# Altium PCB CNEPuckRevF Export in PCB ASCII Format.PcbDoc (part 3 of 3)
Units mil, origin at the board's own origin, x right, y up, seen from the top; angles counter-clockwise.
Board outline 3831.74 x 3902.47 mil, 4 copper layers (Top Layer, Internal Plane 1, Internal Plane 2, Bottom Layer); 165 components, 118 nets, 543 pads, 169 vias.
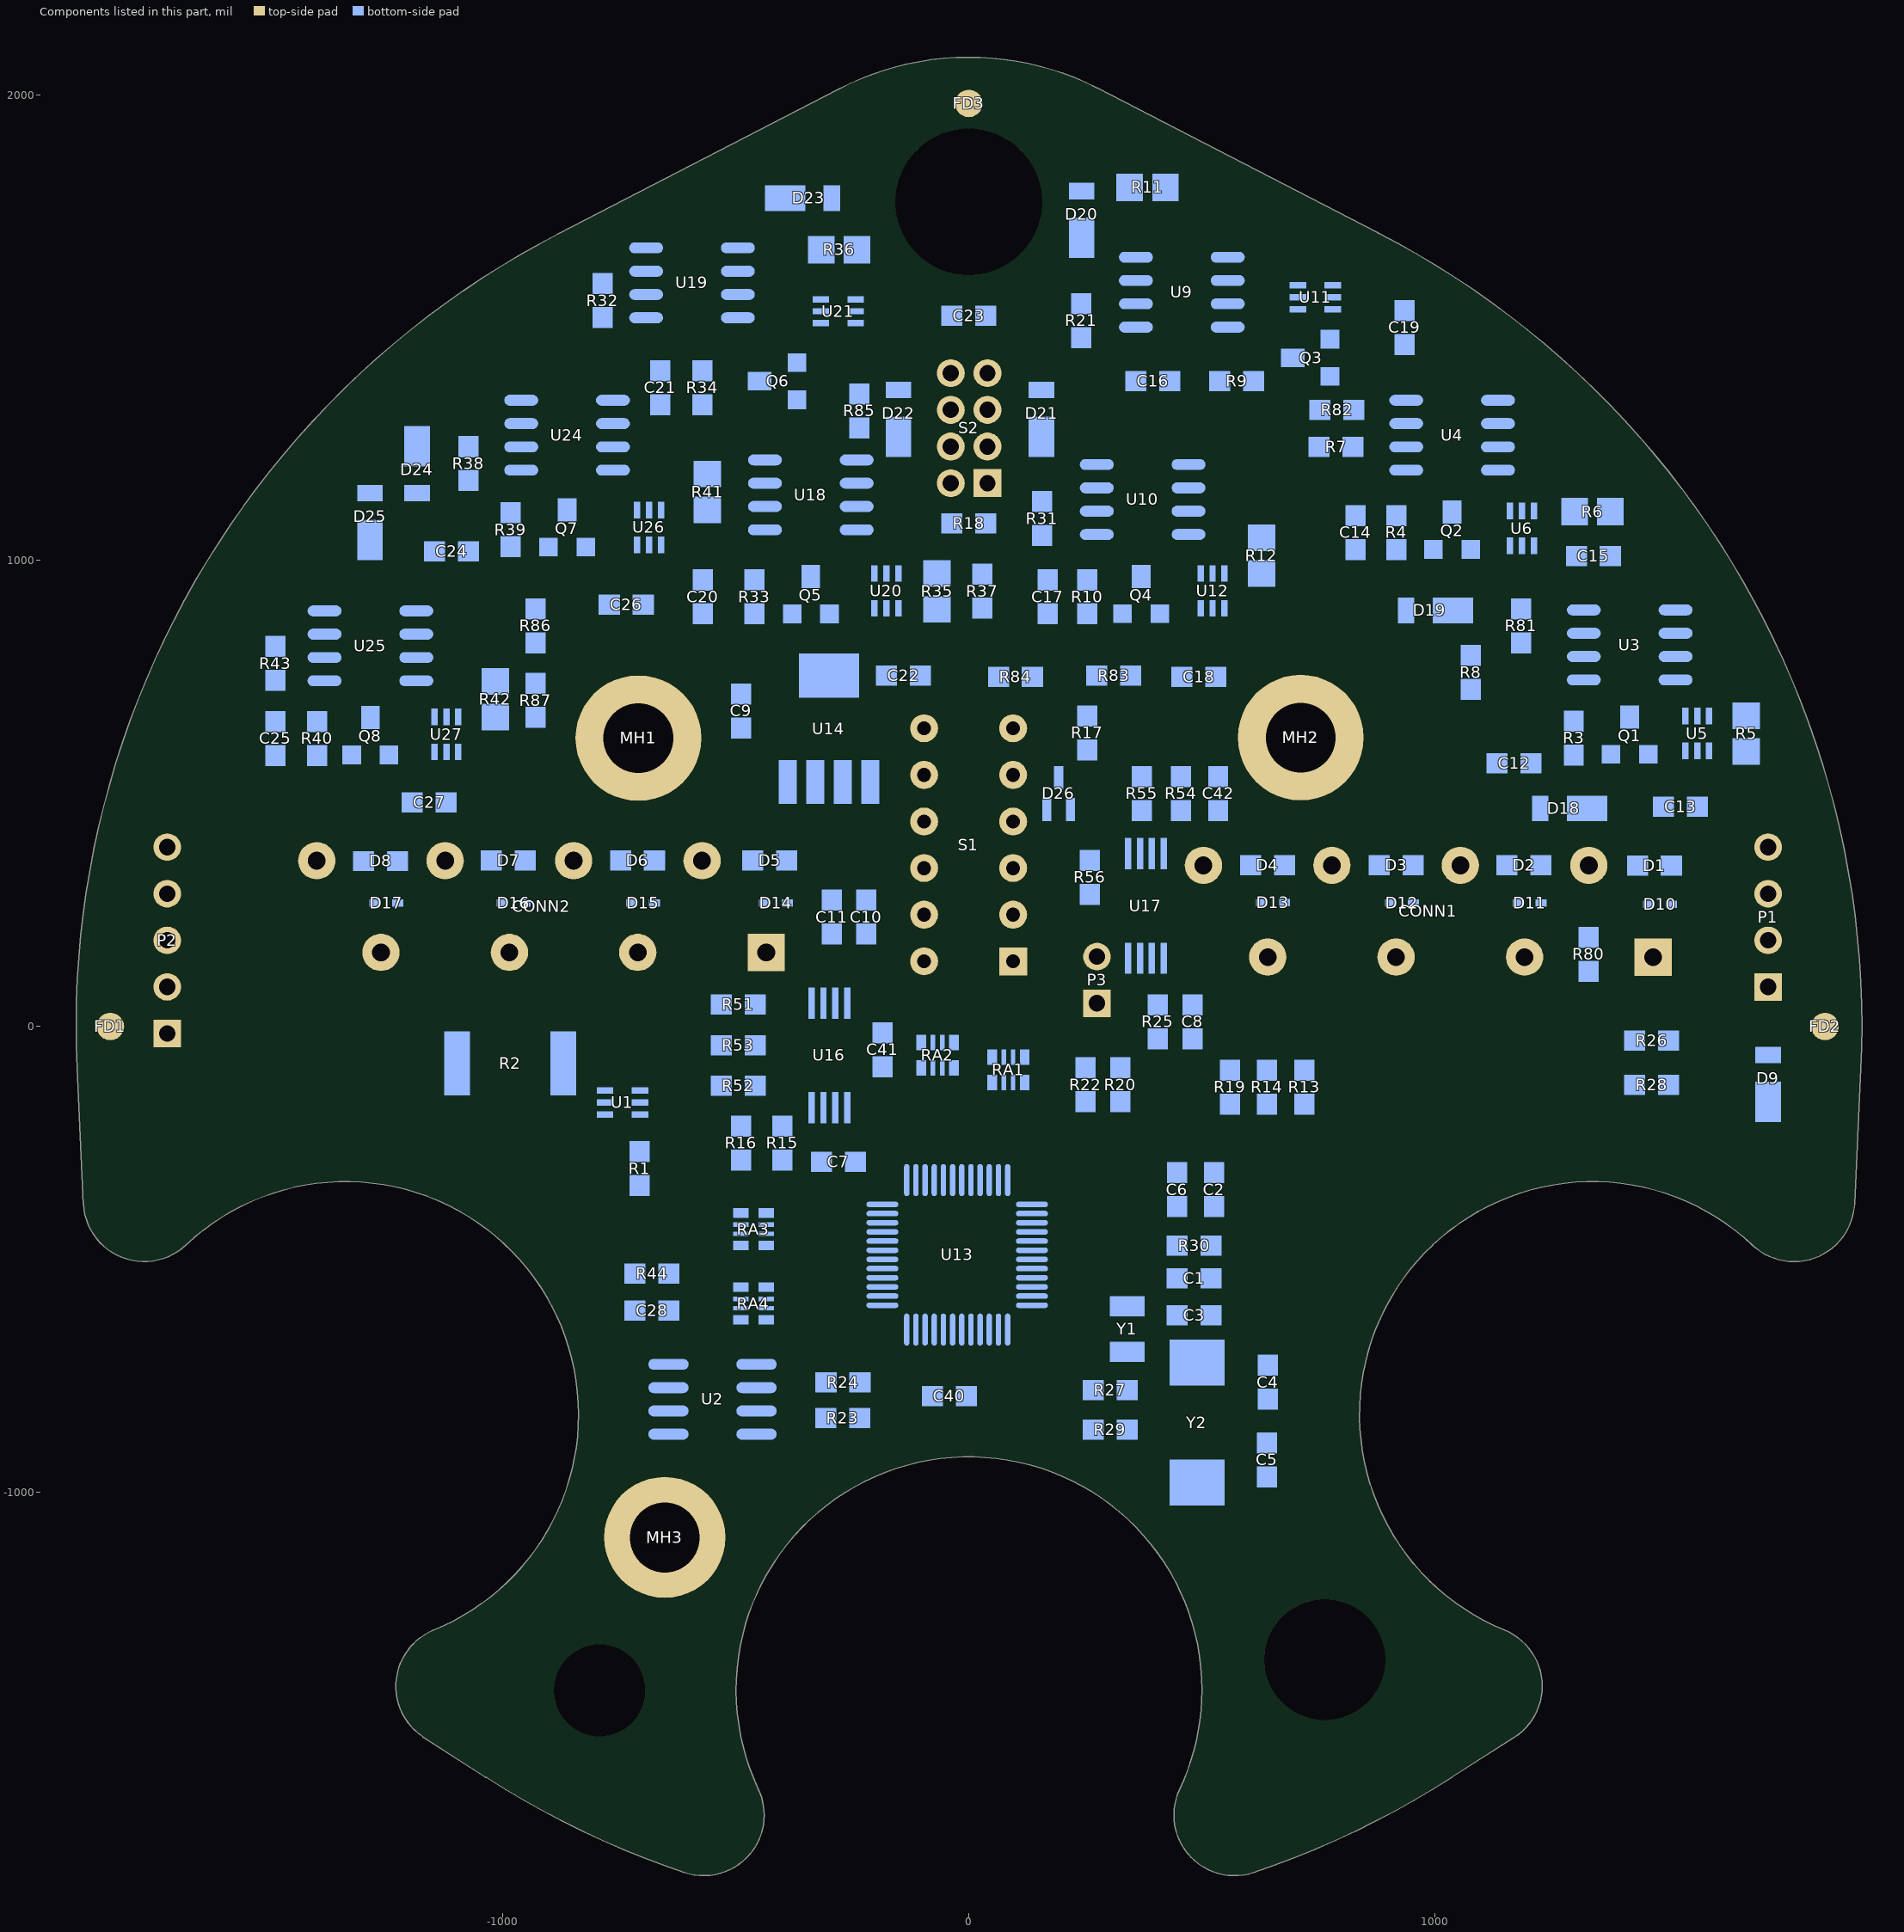
[diagram p5: the components of this part, seen from the top]

## Keep-outs
Bottom Layer:
  lines w4: -1311,1100.05 -1311,1115.05 ; -1260,1100.05 -1260,1115.05 ; -1209,1175 -1209,1190 ; -1158,1175 -1158,1190 ; -339,1752 -324,1752 ; -339,1803 -324,1803 ; -177,1321 -177,1336 ; -126,1321 -126,1336 ; 130,1321 130,1336 ; 181,1321 181,1336 ; 217,1748 217,1763 ; 268,1748 268,1763 ; 968,867 983,867 ; 968,918 983,918 ; 1256,442 1271,442 ; 1256,493 1271,493
  lines w5: -1055,-145 -910,-145 ; -1055,-15 -910,-15
Keep-Out Layer:
  circle w9.84: c-792.17,-1424.85 r140
  circle w9.84: c763.54,-1358.65 r140
  circle w9.84: c0.07,1767.38 r157.48
  lines w9.84: -1869.18,144.93 cw(c18.02,-14.58) -850.64,1668.39 ; -1867.15,-159.76 ccw(c-1956.86,-6.99) -1865.22,144.64 ; -1856.67,-379 ccw(c-1771.4,-374.98) -1712.81,-437.06 cw(c-1339.03,-833.08) -815.29,-982.2 ; -859.55,1662.61 -259.05,1972.55 cw(c-1.35,1473.28) 256.34,1972.55 845.64,1668.39 cw(c-23.02,-14.58) 1864.18,144.93 ; -855.73,-1119.32 ccw(c-772.98,-1140.27) -811.28,-1216.56 ; -811.71,-1216.53 -638.67,-1292.38 ccw(c-604.18,-1214.29) -530.46,-1257.32 ; -477.67,-1159.85 cw(c-1.34,-1423.76) 491.09,-1656.27 ccw(c568.28,-1692.72) 595.51,-1773.63 ccw(c-1.34,-0.25) 1009.51,-1574.83 1144.51,-1488.16 ccw(c1098.39,-1416.32) 1130.64,-1337.28 cw(c1336.36,-833.08) 1710.14,-437.06 ccw(c1768.73,-374.98) 1854,-379 ; 1863.87,145.45 ccw(c1954.15,-6.99) 1864.96,-160.07
  lines w10: -1867.15,-159.76 -1856.67,-379 ; -855.73,-1119.32 -815.29,-982.2 ; -530.04,-1257.54 -477.67,-1159.85 ; 1854,-379 1864.96,-160.07
  lines w100: -1358,1230.53 cw(c-1188.82,1239.08) -1179.52,1408.22 ; -1020.67,-1521.65 ccw(c-821.36,-1469) -768.7,-1668.31 ; 721.19,-1682.78 ccw(c782.31,-1498.81) 959.46,-1577.54 ; 1240.05,1361.7 cw(c1235,1185) 1410,1210
  text "Keepout Layer" at 3135,-1860 h150

## Other copper
Top Layer:
  text "Top Copper Layer" at 3105,-535 h150
Bottom Layer:
  text "Bottom Copper Layer" at 4154,-995 h150
Internal Plane 1 (plane layer: these items are gaps in the copper):
  lines w40: -1913.32,-88.93 ccw(c-1911.12,-90.15) -1913.63,-90.27 -1899.93,-380.89 ccw(c-1897.42,-380.77) -1899.48,-382.21 ; -1913.32,-88.93 cw(c0.48,0.2) -881.36,1701.07 cw(c-879.38,1699.51) -880.54,1701.74 -280.04,2011.69 cw(c-278.89,2009.45) -278.56,2011.95 cw(c-276.59,2010.39) -277.74,2012.62 cw(c0.48,1473.57) 274.98,2014.53 ; -1913.32,-88.93 -1913.32,-88.93 ; -1899.48,-382.21 ccw(c-1769.59,-374.52) -1680.31,-469.19 ccw(c-1769.59,-374.52) -1680.27,-469.15 ; -1899.48,-382.21 -1899.48,-382.21 ; -1680.27,-469.15 cw(c-1337.22,-832.62) -1624.13,-423.38 cw(c-1337.22,-832.62) -837.42,-832.62 cw(c-1337.22,-832.62) -1148.41,-1295.39 ; -1680.27,-469.15 -1680.27,-469.15 ; -1171.09,-1524.36 ccw(c-1168.61,-1523.92) -1169.97,-1526.03 -1037.24,-1611.24 ccw(c-1035.89,-1609.13) -1035.13,-1611.52 ccw(c-1033.19,-1609.91) -1034.55,-1612.03 ccw(c0.48,0.2) -610.64,-1815.59 ccw(c-609.84,-1813.21) -610.58,-1815.61 ; -1171.09,-1524.36 cw(c-1099.25,-1415.87) -1148.45,-1295.41 ; -1171.09,-1524.36 -1171.09,-1524.36 ; -1148.45,-1295.41 cw(c-1099.25,-1415.87) -1148.4,-1295.39 ; -1148.45,-1295.41 cw(c-1147.45,-1297.72) -1148.41,-1295.39 ; -1148.45,-1295.41 -1148.4,-1295.39 ; -1148.41,-1295.39 -1148.41,-1295.39 ; -610.58,-1815.61 ccw(c-569.13,-1692.27) -439.01,-1692.27 ccw(c-569.13,-1692.27) -451.45,-1636.75 ccw(c-453.74,-1637.78) -451.47,-1636.71 cw(c0.48,-1423.3) 500.28,-1423.3 cw(c0.48,-1423.3) 452.43,-1636.71 ; -610.58,-1815.61 -610.58,-1815.61 ; 274.98,2014.53 cw(c274.85,2012.02) 276,2014.25 876.5,1704.31 cw(c875.35,1702.07) 877.71,1702.94 ; 274.98,2014.53 274.98,2014.53 ; 452.41,-1636.76 ccw(c570.1,-1692.27) 611.54,-1815.61 ccw(c570.1,-1692.27) 611.6,-1815.59 ; 452.41,-1636.76 cw(c570.1,-1692.27) 452.43,-1636.71 ; 452.41,-1636.76 cw(c454.7,-1637.78) 452.43,-1636.71 ; 452.41,-1636.76 452.43,-1636.71 ; 611.6,-1815.59 ccw(c0.48,0.2) 1035.51,-1612.03 ccw(c1034.16,-1609.91) 1036.34,-1611.15 1169.37,-1525.76 ccw(c1169.15,-1523.25) 1170.5,-1525.37 ccw(c1100.21,-1415.87) 1230.33,-1415.87 ccw(c1100.21,-1415.87) 1149.41,-1295.41 ccw(c1100.21,-1415.87) 1149.36,-1295.39 ; 611.6,-1815.59 611.6,-1815.59 ; 877.71,1702.94 cw(c878.04,1700.45) 879.2,1702.68 ; 877.71,1702.94 877.71,1702.94 ; 879.2,1702.68 cw(c0.48,0.2) 1916.36,0.2 cw(c0.48,0.2) 1914.23,-90.05 cw(c1911.72,-89.93) 1914.15,-90.57 1900.5,-380.13 cw(c1898.01,-380.53) 1900.53,-380.53 cw(c1898.01,-380.53) 1900.53,-380.65 ; 879.2,1702.68 879.2,1702.68 ; 1149.37,-1295.39 cw(c1338.18,-832.62) 1681.23,-469.15 ; 1149.36,-1295.39 1149.37,-1295.39 ; 1681.23,-469.15 ccw(c1770.55,-374.52) 1681.27,-469.19 ; 1681.23,-469.15 ccw(c1682.96,-467.33) 1681.27,-469.19 ; 1681.23,-469.15 1681.27,-469.19 ; 1681.27,-469.19 ccw(c1770.55,-374.52) 1900.53,-380.65 ; 1900.53,-380.65 1900.53,-380.65
  lines w100: -1358,1230.53 cw(c-1179.91,1230.13) -1179.52,1408.22 ; -1021.65,-1518.7 ccw(c-822.34,-1466.04) -769.69,-1665.35 ; 721.2,-1682.78 ccw(c787.7,-1511.03) 959.46,-1577.54 ; 1240.05,1361.7 cw(c1249.17,1200.88) 1410,1210
  text "Internal Plane 1 (GND)" at 3115,-685 h150
Internal Plane 2 (plane layer: these items are gaps in the copper):
  lines w7: -547,239.93 -546.23,239.16 ; 840,1105.59 840.29,1105.29 ; 1287.41,1028 1294.29,1021.12
  lines w15: -1528.54,1143.7 -1480.31,1095.47 -1415.83,1095.47 -1303.15,1095.47 -996.71,1401.91 -693.9,1704.72 -557.09,1704.72 -510.83,1750.98 -410.98,1750.98 -243.5,1750.98 -225.92,1733.4 -77.52,1585 -65,1585 77.13,1585 219.71,1727.59 242.13,1750 594.49,1750 710.63,1633.86 859.99,1633.86 969.03,1524.82 1002.08,1524.82 1100,1426.9 1100,1360.72 1185.72,1275 1217.05,1275 1324,1168.05 1440.87,1051.18 1462.24,1051.18 1607.08,906.34 1607.08,801.54 1668,740.62 1763.87,740.62 ; -546.23,239.16 -546.23,-32.66 -663.17,-149.61 -856.26,-149.61 -895.24,-188.59 -1443.76,-188.59 -1672.35,40 -1754.59,40 -1769.59,25 -1769.59,-51.99 -1561.58,-260 -730,-260 -675,-315 -675,-434.9 -746.38,-506.28 -746.38,-683.72 -675,-755.1 -511.8,-918.3 -355.89,-918.3 -287.59,-850 327.61,-850 ; -543.7,241.3 -495,290 -495,420 -430,485 -403.63,511.37 ; -402.16,507.8 -402.16,925 ; -202.52,822.52 -202.52,510.05 -178.57,486.09 -178.57,108.57 -20,-50 115,-50 290,-50 330,-10 330,230 366.58,266.58 453.42,266.58 762.87,-42.87 762.87,-117.13 670,-210 670,-567.02 670,-800 620,-850 320,-850 ; 840,1105.59 840,1234.67 840,1393.08 840,1472.28 840,1499.18 862.52,1521.7 886.76,1521.7 905.51,1502.95 905.51,1114.49 916.82,1103.18 960,1060 1213.2,1060 1255.41,1060 1290.85,1024.56 ; 840.29,1105.29 790,1055 614.58,1055 450,890.42 346.98,787.4 188.18,787.4 165.19,810.4 165.19,1412.57 73.82,1503.94 -206.06,1503.94 -275,1435 -275,1280.32 -275,1114.76 -386.81,1002.95 -597.72,1002.95 -704.59,1002.95 -718.81,988.73 -718.81,911.73 -700.79,893.7 -662.4,893.7 -631.1,925 -295,925 -200.79,1019.21 -200.79,1314.96 -66.93,1448.82 59.78,1448.82 110.84,1397.76 110.84,1110.84 -55.12,944.88 -134.64,944.88 -202.52,877 -202.52,795 -117.52,795 -86.61,825.91 -86.61,850.86 -71.33,866.14 34.86,866.14 52.78,848.22 52.78,777.22 150,680 240.58,680 456.42,680 557,780.58 776.42,1000 1039.37,1000 1255,784.37 1255,727.28 1482.28,500 1583.33,500 1611.22,527.89 1611.22,576.38 1587.6,600 1553.54,600 1294.29,859.25 1294.29,1021.12 ; 1845.69,448.82 1863.87,467
  lines w40: -1913.32,-88.93 ccw(c-1911.12,-90.15) -1913.63,-90.27 -1899.93,-380.89 ccw(c-1897.42,-380.77) -1899.48,-382.21 ; -1913.32,-88.93 cw(c0.48,0.2) -881.36,1701.07 cw(c-879.38,1699.51) -880.54,1701.74 -280.04,2011.69 cw(c-278.89,2009.45) -278.56,2011.95 cw(c-276.59,2010.39) -277.74,2012.62 cw(c0.48,1473.57) 274.98,2014.53 ; -1913.32,-88.93 -1913.32,-88.93 ; -1899.48,-382.21 ccw(c-1769.59,-374.52) -1680.31,-469.19 ccw(c-1769.59,-374.52) -1680.27,-469.15 ; -1899.48,-382.21 -1899.48,-382.21 ; -1680.27,-469.15 cw(c-1337.22,-832.62) -1624.13,-423.38 cw(c-1337.22,-832.62) -837.42,-832.62 cw(c-1337.22,-832.62) -1148.41,-1295.39 ; -1680.27,-469.15 -1680.27,-469.15 ; -1171.09,-1524.36 ccw(c-1168.61,-1523.92) -1169.97,-1526.03 -1037.24,-1611.24 ccw(c-1035.89,-1609.13) -1035.13,-1611.52 ccw(c-1033.19,-1609.91) -1034.55,-1612.03 ccw(c0.48,0.2) -610.64,-1815.59 ccw(c-609.84,-1813.21) -610.58,-1815.61 ; -1171.09,-1524.36 cw(c-1099.25,-1415.87) -1148.45,-1295.41 ; -1171.09,-1524.36 -1171.09,-1524.36 ; -1148.45,-1295.41 cw(c-1099.25,-1415.87) -1148.4,-1295.39 ; -1148.45,-1295.41 cw(c-1147.45,-1297.72) -1148.41,-1295.39 ; -1148.45,-1295.41 -1148.4,-1295.39 ; -1148.41,-1295.39 -1148.41,-1295.39 ; -610.58,-1815.61 ccw(c-569.13,-1692.27) -439.01,-1692.27 ccw(c-569.13,-1692.27) -451.45,-1636.75 ccw(c-453.74,-1637.78) -451.47,-1636.71 cw(c0.48,-1423.3) 500.28,-1423.3 cw(c0.48,-1423.3) 452.43,-1636.71 ; -610.58,-1815.61 -610.58,-1815.61 ; 274.98,2014.53 cw(c274.85,2012.02) 276,2014.25 876.5,1704.31 cw(c875.35,1702.07) 877.71,1702.94 ; 274.98,2014.53 274.98,2014.53 ; 452.41,-1636.76 ccw(c570.1,-1692.27) 611.54,-1815.61 ccw(c570.1,-1692.27) 611.6,-1815.59 ; 452.41,-1636.76 cw(c570.1,-1692.27) 452.43,-1636.71 ; 452.41,-1636.76 cw(c454.7,-1637.78) 452.43,-1636.71 ; 452.41,-1636.76 452.43,-1636.71 ; 611.6,-1815.59 ccw(c0.48,0.2) 1035.51,-1612.03 ccw(c1034.16,-1609.91) 1036.34,-1611.15 1169.37,-1525.76 ccw(c1169.15,-1523.25) 1170.5,-1525.37 ccw(c1100.21,-1415.87) 1230.33,-1415.87 ccw(c1100.21,-1415.87) 1149.41,-1295.41 ccw(c1100.21,-1415.87) 1149.36,-1295.39 ; 611.6,-1815.59 611.6,-1815.59 ; 877.71,1702.94 cw(c878.04,1700.45) 879.2,1702.68 ; 877.71,1702.94 877.71,1702.94 ; 879.2,1702.68 cw(c0.48,0.2) 1916.36,0.2 cw(c0.48,0.2) 1914.23,-90.05 cw(c1911.72,-89.93) 1914.15,-90.57 1900.5,-380.13 cw(c1898.01,-380.53) 1900.53,-380.53 cw(c1898.01,-380.53) 1900.53,-380.65 ; 879.2,1702.68 879.2,1702.68 ; 1149.37,-1295.39 cw(c1338.18,-832.62) 1681.23,-469.15 ; 1149.36,-1295.39 1149.37,-1295.39 ; 1681.23,-469.15 ccw(c1770.55,-374.52) 1681.27,-469.19 ; 1681.23,-469.15 ccw(c1682.96,-467.33) 1681.27,-469.19 ; 1681.23,-469.15 1681.27,-469.19 ; 1681.27,-469.19 ccw(c1770.55,-374.52) 1900.53,-380.65 ; 1900.53,-380.65 1900.53,-380.65
  lines w100: -1358,1230.53 cw(c-1179.91,1230.13) -1179.52,1408.22 ; -1020.37,-1521.65 ccw(c-825.49,-1468.5) -772.34,-1663.39 ; 721.2,-1682.78 ccw(c787.7,-1511.03) 959.46,-1577.54 ; 1240.05,1361.7 cw(c1243.41,1195.88) 1408.68,1209.89
  text "Internal Plane 2 (PWRs)" at 3115,-835 h150

## Silkscreen, mask and mechanical layers (free items; w line width, h text height)
Top Overlay:
  lines w10: -1478,-291 -1478,-61 ; 425,-295 425,-64
  text "OPIsystems" at -1100,1114 h180
  text "CNE1-PCB" at -901.75,1029 h122
  text "REV F" at -1093.53,795 h122
  text "RST" at -1650,370 h30
  text "GND" at 1565,370 h30
  text "SWD" at -1650,270 h30
  text "TxD" at 1565,270 h30
  text "GND" at -1651,170 h30
  text "RxD" at 1565,165 h30
  text "TxD" at -1650,70 h30
  text "GND" at 1565,70 h30
  text "3V3" at -1645,-45 h30
  text "RESET_CNE" at 255,-50 h50 r270
  text "CH8-W" at -1331,-60 h100 r270
  text "CH6-W" at -779,-61 h100 r270
  text "CH5-W" at -504,-61 h100 r270
  text "CH7-W" at -1054,-62 h100 r270
  text "CH4-W" at 572,-64 h100 r270
  text "CH3-W" at 848,-65 h100 r270
  text "CH2-W" at 1123,-65 h100 r270
  text "CH1-W" at 1399,-66 h100 r270
  text "CH8-B" at -1435,-80 h100 r270
  text "CH7-B" at -1147.54,-80 h100 r270
  text "CH6-B" at -872.54,-80 h100 r270
  text "CH5-B" at -597.54,-80 h100 r270
  text "CH4-B" at 475,-80 h100 r270
  text "CH3-B" at 752.46,-80 h100 r270
  text "CH2-B" at 1027.46,-80 h100 r270
  text "CH1-B" at 1302.46,-80 h100 r270
  text "DEBUG" at 1592.52,-182.09 h50
  text "JTAG" at -1810,-215 h50
  text "Top Silkscreen Layer" at 3105,-395 h150
Bottom Overlay:
  lines w7: -830,-500 -830,-540 -770,-600 ; -343.47,-940 -330,-940 -280,-890 ; 90,1090 100,1100 100,1166 109,1175 212.98,1175 220,1182.02 220,1191.99 220,1245
  lines w9.84: -1868.95,146.83 cw(c-1956.86,-6.99) -1867.82,-160.16 ; -1868.54,146.8 cw(c17.09,-12.58) -850.85,1669 ; -1867,-160.12 -1856.69,-378.84 ccw(c-1771.42,-374.82) -1712.83,-436.9 cw(c-1339.05,-832.92) -815.35,-982.18 ; -878.85,1652.65 -259.05,1972.55 cw(c-1.35,1473.28) 256.34,1972.55 846.41,1667.99 cw(c-21.53,-13.58) 1864.1,145.79 ; -855.73,-1119.32 ccw(c-772.98,-1140.27) -811.28,-1216.56 ; -811.71,-1216.53 -638.67,-1292.38 ccw(c-604.18,-1214.29) -530.46,-1257.32 ; -478.31,-1160.81 cw(c-1.35,-1423.6) 491.07,-1656.11 ccw(c568.26,-1692.56) 595.49,-1773.47 ccw(c-1.35,-0.09) 1009.49,-1574.66 1144.49,-1488 ccw(c1098.37,-1416.16) 1130.62,-1337.12 cw(c1336.34,-832.92) 1710.12,-436.9 ccw(c1768.71,-374.82) 1853.98,-378.84 1864.3,-159.97 ; 1864.43,-159.76 cw(c1954.15,-6.99) 1864.51,145.83
  lines w10: -855.73,-1119.32 -815.29,-982.2 ; -530.04,-1257.54 -477.67,-1159.85 ; 226,220 226,111.75 237,100.75 315,100.75 335,80.75 335,80
  text "Bottom Silkscreen Layer" at 4304,-1145 h150
Top Paste:
  text "Top Paste Layer" at 3110,-1560 h150
Bottom Paste:
  text "Bottom Paste Layer" at 4085,-1710 h150
Mechanical 1:
  circle w5: c764.26,-1358.46 r129.92
  lines w5: -1911.12,-90.15 -1897.42,-380.77 ; -1910.76,-89.93 cw(c0.48,0.2) -877.08,1700.45 ; -1625.58,-421.33 ccw(c-1337.22,-832.62) -1682,-467.33 ; -1168.61,-1523.92 -1035.89,-1609.13 ; -1168.18,-1523.25 cw(c-1099.25,-1415.87) -1147.45,-1297.71 ccw(c-1337.22,-832.62) -1682,-467.33 ; -1033.19,-1609.91 ccw(c0.48,0.2) -609.84,-1813.21 ccw(c-569.13,-1692.27) -453.74,-1637.78 cw(c0.48,-1423.3) 454.7,-1637.78 ccw(c570.1,-1692.27) 610.8,-1813.21 ccw(c0.48,0.2) 1034.16,-1609.91 ; -879.38,1699.51 -278.89,2009.45 ; -276.59,2010.39 cw(c0.48,1473.57) 277.55,2010.39 ; 274.85,2012.02 875.35,1702.07 ; 878.04,1700.45 cw(c0.48,0.2) 1911.72,-89.93 ; 1034.85,-1609.13 1169.85,-1522.46 ; 1169.15,-1523.25 ccw(c1100.21,-1415.87) 1148.41,-1297.71 cw(c1338.18,-832.62) 1682.96,-467.33 ccw(c1770.55,-374.52) 1898.01,-380.53 ; 1897.95,-380.77 1911.66,-89.88 ; -1682,-467.32 cw(c-1769.59,-374.52) -1897.05,-380.53 ccw(c-1769.59,-374.52) -1682,-467.32
  text "Mechanical 1 Layer: Board Outline Layer" at 3110,-1270 h150
Mechanical 2:
  lines w4: -130,1480 170,1480
  lines w5: 3294.48,500.7 2934.48,500.7 ; 3294.48,780.7 2934.48,780.7 ; 3624.48,1210.7 2864.48,1210.7 2864.48,888.18 2869.09,887.27 2872.99,884.66 2875.6,880.75 2876.52,876.14 2875.6,871.53 2872.99,867.63 2869.09,865.02 2864.48,864.1 2864.48,848.03 2868.42,848.81 2873.02,847.9 2876.93,845.29 2879.54,841.38 2880.46,836.77 2879.54,832.16 2876.93,828.26 2873.02,825.65 2868.42,824.73 2864.48,825.51 2864.48,806.35 2867.74,808.53 2872.35,809.44 2876.96,808.53 2880.87,805.92 2883.48,802.01 2884.39,797.4 2883.48,792.79 2880.87,788.89 2876.96,786.28 2872.35,785.36 2867.74,786.28 2864.48,788.46 2864.48,769.29 2868.42,770.07 2873.02,769.16 2876.93,766.55 2879.54,762.64 2880.46,758.03 2879.54,753.42 2876.93,749.52 2873.02,746.91 2868.42,745.99 2864.48,746.77 2864.48,730.7 2869.09,729.79 2872.99,727.18 2875.6,723.27 2876.52,718.66 2875.6,714.05 2872.99,710.15 2869.09,707.54 2864.48,706.62 2864.48,330.7 3634.48,330.7 ; 2934.48,500.7 3124.48,531.52 3124.48,470.7 2934.48,500.7 ; 2934.48,780.7 3124.48,750.7 3124.48,811.52 2934.48,780.7
  lines w9.84: -1916.16,-90.49 cw(c0.07,-0.13) -879.8,1704.55 -279.3,2014.49 cw(c0.07,1473.24) 279.43,2014.5 879.93,1704.55 cw(c0.07,-0.13) 1916.3,-90.49 1884.47,-765.51 cw(c1276.04,-736.82) 1605.1,-1249.39 1036.43,-1614.46 cw(c0.07,-0.13) -1036.3,-1614.46 -1604.97,-1249.39 cw(c-1275.91,-736.82) -1884.34,-765.51 -1916.16,-90.49
  lines w10: -1296.76,1528.54 -1296.76,2013.24 -1040,2270 1640,2270 2280,1630 ; 1072.78,-1710 1070,-1710 2150,-1710 2280,-1580 2280,1630 ; 1500,1390 1740,1630 2280,1630 ; 2800,1630 2280,1630
  lines w15: -823.82,-1833.66 -620.08,-2037.4 1889.76,-2037.4 2150,-1777.17 2150,-1710
  text "IMPORTANT:" at 2919.99,1892.22 h150
  text "Please make sure that perferated edges of Mouse Bytes" at 2924.99,1707.22 h150
  text "are within the edge of the PCB - aka no jagged edges of" at 2924.99,1547.22 h150
  text "the byte can exist outside of the PCB edge." at 2930.68,1377.22 h150
  text "When panelizing this design please use Mouse Bites." at 3034.99,1077.22 h100
  text "This will place the ragged edge of the holes behind the edge of the PCB." at 3034.48,956.62 h100
  text "Mouse Bite" at 3324.48,753.42 h100
  text "Mechanical 2 Layer: Mouse Bites Panelization Details" at 2864.48,150.49 h150
Mechanical 4:
  text "PCB edge" at 3324.48,470.7 h100
Mechanical 5:
  lines w9.84: -51.11,488.92 51.25,488.92 51.25,1677.15 -51.11,1677.15 -51.11,488.92
Mechanical 6:
  circle w9.84: c712.07,619.96 r62.99
  circle w9.84: c-711.93,619.96 r62.99
  circle w9.84: c763.68,-1358.65 r129.92
  circle w9.84: c-792.17,-1424.85 r129.92
  circle w9.84: c0.07,-1423.64 r302.19
  circle w9.84: c-1337.63,-832.96 r302.19
  circle w9.84: c1337.76,-832.96 r302.19
  circle w9.84: c0.07,1767.38 r157.48
Mechanical 7:
  drawing of 1416 lines, arcs and shapes, not listed
  text "Cable Node Expander PCB" at -1050,-2320 h250
Mechanical 8:
  lines w9.84: -36.68,-275.63 -10.93,-275.63 -10.93,-224.63 -36.68,-224.63 ; -36.68,-175.63 -10.93,-175.63 -10.93,-124.63 -36.68,-124.63 ; -36.68,-75.63 -10.93,-75.63 -10.93,-24.63 -36.68,-24.63 ; -36.68,24.37 -10.93,24.37 -10.93,75.37 -36.68,75.37 ; -36.68,124.37 -10.93,124.37 -10.93,175.37 -36.68,175.37 ; -36.68,224.37 -10.93,224.37 -10.93,275.37 -36.68,275.37 ; 36.82,-275.63 11.07,-275.63 11.07,-224.63 36.82,-224.63 ; 36.82,-175.63 11.07,-175.63 11.07,-124.63 36.82,-124.63 ; 36.82,-75.63 11.07,-75.63 11.07,-24.63 36.82,-24.63 ; 36.82,24.37 11.07,24.37 11.07,75.37 36.82,75.37 ; 36.82,124.37 11.07,124.37 11.07,175.37 36.82,175.37 ; 36.82,224.37 11.07,224.37 11.07,275.37 36.82,275.37 ; 184.07,-320.13 189.07,-320.13 189.07,-275.23 ; 184.07,-275.23 189.07,-275.23 ; 184.07,-214.03 189.07,-214.03 ; 184.07,-169.13 189.07,-169.13 189.07,-214.03 ; 184.07,-166.58 189.07,-166.58 189.07,-96.18 ; 184.07,-96.18 189.07,-96.18 ; 184.07,-79.26 189.07,-79.26 ; 184.07,-62.33 189.07,-62.33 ; 184.07,8.07 189.07,8.07 189.07,-62.33 ; 184.07,20.22 189.07,20.22 189.07,102.52 ; 184.07,102.52 189.07,102.52 ; 184.07,156.42 189.07,156.42 189.07,102.52 ; -96.68,-410.13 ccw(c-96.68,-350.13) -36.68,-350.13 ; -96.68,-410.13 -96.68,-382.13 ; -96.68,-410.13 96.82,-410.13 ; -96.68,-382.13 -139.93,-382.13 -139.93,-318.13 -96.68,-318.13 ; -96.68,-382.13 -75.93,-382.13 -75.93,-318.13 -96.68,-318.13 ; -96.68,-318.13 -96.68,319.91 ; -96.68,319.91 cw(c-107.93,349.87) -96.68,379.83 ; -96.68,319.91 ccw(c-107.93,349.87) -96.68,379.83 ; -96.68,379.82 -96.68,409.87 ; -96.68,409.87 cw(c-96.68,349.87) -36.68,349.87 ; -96.68,409.87 96.82,409.87 ; -36.68,-350.13 -36.68,349.87 ; -36.68,-350.13 36.82,-350.13 ; -36.68,349.87 36.82,349.87 ; 36.82,-350.13 ccw(c96.82,-350.13) 96.82,-410.13 ; 36.82,-350.13 36.82,349.87 ; 36.82,349.87 cw(c96.82,349.87) 96.82,409.87 ; 96.82,-410.13 96.82,409.87 ; 189.07,-275.23 189.07,-214.03 ; 189.07,-96.18 189.07,-79.26 ; 189.07,-79.26 189.07,-62.33 ; -183.93,-400.13 ccw(c-153.93,-400.13) -153.93,-430.13 154.07,-430.13 ccw(c154.07,-400.13) 184.07,-400.13 184.07,399.87 ccw(c154.07,399.87) 154.07,429.87 -153.93,429.87 ccw(c-153.93,399.87) -183.93,399.87 -183.93,-400.13
Mechanical 9:
  drawing of 387 lines, arcs and shapes, not listed
Mechanical 11:
  drawing of 724 lines, arcs and shapes, not listed
  text "CableNode Expander - Rev. F" at 8654.19,7365.74 h50
  text "DESIGN INFORMATION" at 6449.19,7360.74 h60
  text "BOARD NAME:" at 7929.19,7360.74 h60
  text "BOARD TECHNOLOGY" at 6449.19,7260.74 h60
  text "BOARD SIZE (REFER ALSO PROFILING INFORMATION)" at 8349.19,7260.74 h50
  text "xx.xx" at 8653.13,7171.21 h60
  text "28.000" at 7071.2,7167.75 h60
  text "yy.yy" at 9558.64,7167.28 h60
  text "0.008" at 7621.2,7162.75 h60
  text "0.008" at 6560.45,7160.74 h60
  text "(Unit)" at 10191.31,7158.46 h60
  text "X" at 9281.04,7140.74 h70
  text "(MIN. TRACK/   PADS  /CLEARANCE IN 0.001'')" at 6389.19,7060.74 h50
  text "MINIMUM ANNULAR RING 0.05MM (0.002'') EXTERNAL PER IPC-2221 CLASS 3 LEVEL C AND IS THE" at 6449.19,6960.74 h50
  text "MANUFACTURING REGISTRATION ALLOWANCE" at 6449.19,6870.74 h50
  text "LAND SIZE CALCULATION MINIMUM - NOMINAL HOLE SIZE + 0.508MM (0.020'')" at 6449.19,6760.74 h50
  text "AS INSTRUCTED" at 9836.2,6587.75 h60
  text "X" at 7931.2,6582.75 h60
  text "CIRCUIT TYPE:" at 6449.19,6580.74 h60
  text "SS" at 7349.19,6580.74 h50
  text "DS" at 8049.19,6580.74 h50
  text "X" at 8624.19,6580.74 h60
  text "PTH" at 8749.19,6580.74 h50
  text "ML" at 9179.19,6580.74 h50
  text "X" at 9329.19,6580.74 h60
  text "No. OFF" at 9449.19,6580.74 h50
  text "FINGER CONNECTOR DIM PER:" at 6449.19,6460.74 h60
  text "AS SHOWN" at 9449.19,6460.74 h50
  text "No. OFF TOTAL" at 7109.19,6350.74 h60
  text "ONE SIDE" at 8749.19,6350.74 h50
  text "BOTH SIDES" at 9449.19,6340.74 h50
  text "VIAS:" at 6449.19,6235.74 h60
  text "NONE" at 6899.19,6235.74 h45
  text "X" at 7229.19,6235.74 h60
  text "FEED THRU'" at 7349.19,6235.74 h45
  text "X" at 7929.19,6235.74 h60
  text "TENTED" at 8049.19,6235.74 h45
  text "BURIED LAYER SEQUENCE" at 8749.19,6235.74 h45
  text "UNIQUE DRILL" at 7349.19,6115.74 h45
  text "2 SIZE" at 8049.19,6115.74 h45
  text "BLIND LAYER SEQUENCE" at 8749.19,6115.74 h45
  text "Layer Stack Manager (Altium)" at 7844.19,6025.74 h50
  text "X" at 9329.19,6025.74 h60
  text "AS SHOWN" at 9449.19,6025.74 h50
  text "LAYER CONSTRUCTION PER:" at 6449.19,6020.74 h60
  text "Altium" at 9639.19,5920.74 h50
  text "(PFW)" at 10044.19,5915.74 h50
  text "ARTWORK:" at 6449.19,5910.74 h60
  text "MANUAL" at 7349.19,5910.74 h50
  text "DIGITISED" at 8049.19,5910.74 h50
  text "X" at 8629.19,5910.74 h60
  text "CAD" at 8749.19,5910.74 h50
  text "TYPE" at 9179.19,5910.74 h50
  text "ARTWORK/PATTERN MASTER LIST" at 6449.19,5725.74 h60
  text "DESCRIPTION" at 6499.19,5630.74 h50
  text "DRAWING No./CAD FILE REF." at 7234.19,5630.74 h50
  text "LAYER NAME" at 8859.19,5630.74 h50
  text "GERBER FILE REF" at 9676.2,5627.75 h50
  text "PCB FILE" at 6438.01,5533.73 h50
  text "CNEPuckRevF" at 7240.02,5530.74 h50
  text "PcbDoc" at 8470.02,5530.74 h40
  text "Bottom Layer" at 8792.02,5433.73 h40
  text "GBL" at 10470.02,5430.74 h50
  text "CNEPuckRevF" at 7240.02,5430 h50
  text "CNEPuckRevF" at 9752.09,5430 h50
  text "GERBER FILE" at 6438.01,5428.73 h50
  text "GBO" at 10468.01,5332.75 h50
  text "Bottom Overlay" at 8792.02,5331.72 h40
  text "CNEPuckRevF" at 7240.02,5330 h50
  text "GERBER FILE" at 6438.01,5328.73 h50
  text "CNEPuckRevF" at 9752.09,5324.75 h50
  text "Bottom Paste Mask" at 8792.02,5235.74 h40
  text "GBP" at 10470.02,5230.74 h50
  text "CNEPuckRevF" at 7240.02,5230 h50
  text "GERBER FILE" at 6438.01,5228.73 h50
  text "CNEPuckRevF" at 9752.09,5227.74 h50
  text "Bottom Solder Mask" at 8790.08,5137 h40
  text "CNEPuckRevF" at 9752.09,5137 h50
  text "GBS" at 10470.02,5130.74 h50
  text "GERBER FILE" at 6438.01,5128.73 h50
  text "CNEPuckRevF" at 7240.02,5128.73 h50
  text "Drill Drawing" at 8792.02,5036.09 h40
  text "GD1" at 10470.02,5033.1 h50
  text "CNEPuckRevF" at 9752.09,5030 h50
  text "GERBER FILE" at 6438.01,5028.73 h50
  text "CNEPuckRevF" at 7242.09,5028.73 h50
  text "Mechanical Layer 11" at 8792.02,4938.1 h40
  text "CNEPuckRevF" at 9752.09,4933.1 h50
  text "GM11" at 10470.02,4933.1 h50
  text "GERBER FILE" at 6438.01,4928.73 h50
  text "CNEPuckRevF" at 7242.09,4928.73 h50
  text "Mechanical Layer 1" at 8792.09,4845 h40
  text "GERBER FILE" at 6432.09,4835 h50
  text "CNEPuckRevF" at 7242.09,4835 h50
  text "CNEPuckRevF" at 9752.09,4830 h50
  text "GM1" at 10472.09,4825 h50
  text "Internal Plane 1" at 8792.02,4738.1 h40
  text "GP1" at 10470.02,4733.1 h50
  text "CNEPuckRevF" at 7240.02,4730 h50
  text "CNEPuckRevF" at 9752.09,4730 h50
  text "GERBER FILE" at 6438.01,4728.73 h50
  text "Internal Plane 2" at 8792.02,4636.09 h40
  text "GP2" at 10470.02,4633.1 h50
  text "CNEPuckRevF" at 7240.02,4630 h50
  text "CNEPuckRevF" at 9752.09,4630 h50
  text "GERBER FILE" at 6438.01,4628.73 h50
  text "Bottom Pad Master" at 8792.02,4536.88 h40
  text "GBP" at 10470.02,4533.89 h50
  text "CNEPuckRevF" at 7242.09,4530 h50
  text "GERBER FILE" at 6438.01,4528.73 h50
  text "CNEPuckRevF" at 9754.09,4525.89 h50
  text "Top Pad Master" at 8792.02,4431.88 h40
  text "CNEPuckRevF" at 7242.09,4430 h50
  text "CNEPuckRevF" at 9752.09,4430 h50
  text "GTP" at 10468.01,4430 h50
  text "GERBER FILE" at 6439.19,4427 h50
  text "Top Layer" at 8792.02,4336.88 h40
  text "CNEPuckRevF" at 7242.09,4330 h50
  text "CNEPuckRevF" at 9752.09,4330 h50
  text "GTL" at 10468.01,4330 h50
  text "GERBER FILE" at 6441.19,4327 h50
  text "Top Overlay" at 8792.02,4231.72 h40
  text "CNEPuckRevF" at 9752.09,4230 h50
  text "GTO" at 10472.09,4230 h50
  text "GERBER FILE" at 6441.19,4227 h50
  text "CNEPuckRevF" at 7242.09,4227 h50
  text "Top Paste Mask" at 8792.02,4135.74 h40
  text "CNEPuckRevF" at 7240.02,4130 h50
  text "CNEPuckRevF" at 9752.09,4130 h50
  text "GTP" at 10468.01,4130 h50
  text "GERBER FILE" at 6441.19,4127 h50
  text "Top Solder Mask" at 8792.02,4037 h40
  text "CNEPuckRevF" at 9752.09,4030 h50
  text "GTS" at 10468.01,4030 h50
  text "GERBER FILE" at 6441.19,4027 h50
  text "CNEPuckRevF" at 7240.02,4027 h50
  text "Aperture List" at 8792.02,3937 h40
  text "CNEPuckRevF" at 7242.09,3930 h50
  text "CNEPuckRevF" at 9754.09,3930 h50
  text "APR" at 10468.01,3930 h50
  text "APERTURE LIST" at 6439.19,3927 h50
  text "Drill Report" at 8792.02,3837 h40
  text "CNEPuckRevF" at 9754.09,3837 h50
  text "CNEPuckRevF" at 7242.09,3830 h50
  text "DRR" at 10464.09,3830 h50
  text "DRILL REPORT" at 6441.19,3827 h50
  text "Excellon Drill Report" at 8790.08,3737 h40
  text "CNEPuckRevF" at 9754.09,3730 h50
  text "RUL" at 10464.09,3730 h50
  text "EXCELLON DRILL" at 6441.19,3727 h50
  text "CNEPuckRevF" at 7242.09,3727 h50
  text "CNEPuckRevF" at 7242.09,3630 h50
  text "ReadMe" at 9762.09,3630 h50
  text "TXT" at 10462.02,3630 h50
  text "GENERAL INFO" at 6441.19,3627 h50
  text "Readme Text File" at 8792.02,3627 h40
  text "Mechanical Layer 2" at 8784.02,3540 h40
  text "GERBER FILE" at 6433.19,3530 h50
  text "CNEPuckRevF" at 7240,3530 h50
  text "CNEPuckRevF" at 9750,3530 h50
  text "GM2" at 10460,3530 h50
  text "MATERIAL:" at 6449.19,3320.74 h60
  text "GLASS FIBRE EPOXY RESIN NEMA GRADE FR4 (MIL-S-13949H)" at 7459.19,3310.74 h50
  text "X" at 7354.19,3305.74 h60
  text "THICKNESS:" at 6759.19,3195.74 h50
  text "0.031\"" at 7459.19,3195.74 h50
  text "0.062\"" at 8154.19,3195.74 h50
  text "0.093" at 8849.19,3195.74 h50
  text "0.125" at 9549.19,3195.74 h50
  text "X" at 8050.08,3187.74 h60
  text "TOLERANCE:" at 6754.19,3075.74 h50
  text "IN A/W IPC-D-300G CLASS" at 7449.19,3075.74 h50
  text "3 LEVEL B" at 8824.19,3075.74 h50
  text "OTHER +/-" at 9549.19,3075.74 h50
  text "X" at 7354.19,3070.74 h60
  text "BOW & TWIST:" at 6659.19,2955.74 h50
  text "IN A/W IPC-D-300G CLASS" at 7449.19,2955.74 h50
  text "3 LEVEL B" at 8824.19,2955.74 h50
  text "AS SHOWN" at 9554.19,2950.74 h50
  text "X" at 7354.19,2945.74 h60
  text "COPPER THICKNESS (FINISHED)" at 6754.19,2825.74 h50
  text "OUTER:" at 6944.19,2735.74 h50
  text "18um" at 7459.19,2735.74 h50
  text "35um" at 8524.19,2735.74 h50
  text "70um" at 9559.19,2735.74 h50
  text "X" at 8416.2,2727.75 h60
  text "INNER SIGNAL:" at 6614.19,2615.74 h50
  text "18um" at 7459.19,2615.74 h50
  text "35um" at 8524.19,2615.74 h50
  text "70um" at 9559.19,2615.74 h50
  text "X" at 8417.2,2606.75 h60
  text "INNER PWR:" at 6759.19,2495.74 h50
  text "18um" at 7459.19,2495.74 h50
  text "35um" at 8524.19,2495.74 h50
  text "70um" at 9559.19,2495.74 h50
  text "X" at 8416.2,2485.75 h60
  text "STRUCTURE:" at 6449.19,2375.74 h60
  text "REFER" at 7459.19,2375.74 h50
  text "AS PER DRAWING No." at 7454.19,2250.74 h50
  text "AS SHOWN" at 9554.19,2250.74 h50
  text "X" at 9454.19,2245.74 h60
  text "DRILLING:" at 6449.19,2140.74 h60
  text "VIEWED FROM:" at 6644.19,2050.74 h50
  text "COMPONENT SIDE" at 7459.19,2050.74 h45
  text "SOLDER SIDE" at 8514.19,2050.74 h45
  text "X" at 7354.19,2040.74 h60
  text "REFERENCE:" at 6734.19,1930.74 h50
  text "AS SHOWN" at 7454.19,1925.74 h45
  text "PATTERN MASTER LIST" at 8519.19,1925.74 h45
  text "X" at 9454.19,1925.74 h60
  text "NC_DRILL FILES" at 9554.19,1925.74 h45
  text "X" at 7354.19,1920.74 h60
  text "PTH MINIMUM COPPER THICKNESS:" at 6964.19,1810.74 h50
  text "20um" at 8524.19,1810.74 h50
  text "X" at 8419.19,1805.74 h60
  text "OTHER" at 9554.19,1805.74 h50
  text "NPTH:" at 6984.19,1690.74 h50
  text "TENTED" at 7454.19,1685.74 h45
  text "X" at 8419.19,1685.74 h60
  text "PADS REMOVED" at 8519.19,1685.74 h45
  text "REMOVE PADS" at 9554.19,1685.74 h45
  text "X" at 7354.19,1680.74 h60
  text "2nd DRILL" at 7454.19,1565.74 h45
  text "BOTH" at 8519.19,1565.74 h45
  text "AS SHOWN" at 9004.19,1565.74 h45
  text "NONE" at 9554.19,1565.74 h45
  text "BOARD FINISH:" at 6449.19,1450.74 h60
  text "X" at 7354.19,1445.74 h60
  text "ETCHING" at 7454.19,1445.74 h45
  text "REFER PATTERN MASTER LIST" at 8519.19,1445.74 h45
  text "LEGEND / SCREEN PRINT:" at 7249.19,1330.74 h50
  text "NONE" at 8519.19,1325.74 h45
  text "COMPONENT" at 9004.19,1325.74 h45
  text "SOLDER" at 9554.19,1325.74 h45
  text "X" at 8904.19,1320.74 h60
  text "X" at 9454.19,1320.74 h60
  text "COLOUR:" at 6864.19,1210.74 h50
  text "WHITE" at 7454.19,1205.74 h45
  text "YELLOW" at 8519.19,1205.74 h45
  text "OTHER" at 9554.19,1205.74 h45
  text "X" at 7354.19,1200.74 h60
  text "X" at 7354.19,1085.74 h60
  text "LIQUID PHOTOIMAGEABLE" at 7454.19,1085.74 h45
  text "SCREEN PRINT" at 9004.19,1085.74 h45
  text "MATTE" at 7454.19,965.74 h45
  text "GLOSS" at 7954.19,965.74 h45
  text "GREEN" at 8519.19,965.74 h45
  text "BLUE" at 9004.19,965.74 h45
  text "G/Y" at 9554.19,965.74 h45
  text "OTHER" at 10004.19,965.74 h45
  text "X" at 7849.19,960.74 h60
  text "SOLDER MASK COLOUR:" at 6449.19,850.74 h45
  text "BLACK" at 7454.19,845.74 h45
  text "GREEN" at 7954.19,845.74 h45
  text "YELLOW" at 8519.19,845.74 h45
  text "BLUE" at 9004.19,845.74 h45
  text "OTHER" at 9554.19,845.74 h45
  text "X" at 7848.08,841 h60
  text "TRACK FINISH:" at 6449.19,730.74 h60
  text "SELECTIVE SOLDER (HASL)" at 7454.19,725.74 h45
  text "REFLOW SOLDER" at 9004.19,725.74 h45
  text "X" at 7351.24,722.79 h60
  text "SELECTIVE GOLD" at 7454.19,605.74 h45
  text "um  (AREA" at 8519.19,605.74 h45
  text "sq. mm)" at 9614.19,605.74 h45
  text "REFER PATTERN MASTER LIST" at 7454.19,485.74 h45
  text "OTHER" at 9004.19,485.74 h45
  text "EDGE BOARD" at 6449.19,370.74 h60
  text "1.3um HARD GOLD OVER 5um     NICKEL / TIN-NICKEL" at 7454.19,365.74 h45
  text "CONTACTS:" at 6449.19,285.74 h60
  text "HARD FINISH GOLDE PLATE" at 7454.19,245.74 h45
  text "OTHER" at 9004.19,245.74 h45
  text "AS SHOWN" at 7454.19,125.74 h45
  text "REFER" at 9004.19,125.74 h45
  text "X" at 7355,120 h60
  text "PROFILING:" at 6449.19,5.74 h60
  text "AS DIMENSIONED, MEASURED AND CUT FROM SPECIFIED DATUM." at 7454.19,5.74 h45
  text "X" at 7354.19,0.74 h60
  text "REFER PCB BLANK DWG No." at 7459.19,-109.26 h50
  text "USE PROFILE / ROUTE TAPE SUPPLIED (REFER PATTERN MASTER LIST)" at 7459.19,-229.26 h50
  text "SQUARE CUT" at 7459.19,-349.26 h50
  text "N.C. ROUTE" at 8159.19,-349.26 h50
  text "V. SCORE" at 8859.19,-349.26 h50
  text "BLANK" at 9559.19,-349.26 h50
  text "ACCEPTABILITY:" at 6449.19,-454.26 h60
  text "MATERIALS AND WORKMANSHIP FOR ALL PRINTED WIRING BOARDS TO MEET" at 7324.19,-459.26 h50
  text "OR EXCEED THE REQUIREMENTS OF:" at 7324.19,-569.26 h50
  text "IPC-6011/12 AND IPC-A-600E" at 7464.19,-674.26 h50
  text "1" at 8864.19,-674.26 h50
  text "2" at 9214.19,-674.26 h50
  text "X" at 9109.19,-679.26 h60
  text "X" at 7359.19,-684.26 h60
  text "3" at 9564.19,-759.26 h50
  text "UL CERTIFICATION" at 7464.19,-794.26 h50
  text "AUSTEL" at 8864.19,-794.26 h50
  text "X" at 7359.19,-799.26 h60
  text "ML-P-55110F GRP" at 7444.19,-914.26 h40
  text "A" at 8164.19,-914.26 h50
  text "B" at 8514.19,-914.26 h50
  text "AS2546" at 8864.19,-914.26 h50
  text "OTHER" at 9564.19,-914.26 h50
  text "ADDITIONAL" at 6449.19,-1029.26 h60
  text "NONE" at 7464.19,-1039.26 h50
  text "SAMPLE PLAN" at 8164.19,-1039.26 h50
  text "MIL-P-55110E SERIAL Nos. PER ORDER" at 8864.19,-1039.26 h50
  text "REQUIREMENTS:" at 6449.19,-1124.26 h60
  text "NONE" at 7464.19,-1159.26 h50
  text "ML-P-55110F GRP" at 8144.19,-1159.26 h40
  text "A" at 8864.19,-1159.26 h50
  text "B" at 9214.19,-1159.26 h50
  text "IPC CLASS:" at 9449.19,-1159.26 h50
  text "1" at 10059.19,-1159.26 h50
  text "2" at 10309.19,-1159.26 h50
  text "3" at 10559.19,-1159.26 h50
  text "QUALITY RELEASE REPORT" at 8164.19,-1279.26 h50
  text "OTHER" at 9759.19,-1279.26 h50
  text "PER ORDER" at 10094.19,-1284.26 h50
  text "X" at 9654.19,-1289.26 h60
  text "NONE" at 8164.19,-1399.26 h50
  text "REQUIRED" at 8864.19,-1399.26 h50
  text "PER ORDER" at 9764.19,-1399.26 h50
  text "ELECTRICAL TEST:" at 6449.19,-1404.26 h60
  text "X" at 8759.19,-1404.26 h60
  text "Mechanical 11 Layer: File and PCB Ordering Information" at 3110,-1410 h150
  text "NONE" at 8164.19,-1519.26 h50
  text "1 SIDE" at 8859.19,-1519.26 h45
  text "2 SIDES" at 9299.19,-1519.26 h45
  text "MIN. PITCH" at 9759.19,-1519.26 h50
  text "0.65mm" at 10294.19,-1519.26 h50
  text "SURFACE MOUNT:" at 6449.19,-1524.26 h60
  text "X" at 9211.2,-1527.25 h60
  text "NONE" at 8164.19,-1639.26 h50
  text "FOIL" at 8864.19,-1639.26 h50
  text "LEGEND" at 9314.19,-1639.26 h50
  text "REFER" at 9759.19,-1639.26 h50
  text "MANUFACTURER'S ID/LOGO:" at 6449.19,-1644.26 h60
  text "ISO9001/AS3901" at 8314.19,-1759.26 h50
  text "NONE" at 9759.19,-1759.26 h50
  text "MANUFACTURER'S ACCREDITATION:" at 6449.19,-1764.26 h60
  text "X" at 8209.19,-1764.26 h60
  text "PER ORDER" at 8164.19,-1879.26 h50
  text "REFER" at 8864.19,-1879.26 h50
  text "PACKAGING AND HANDLING:" at 6449.19,-1884.26 h60
  text "X" at 8059.19,-1889.26 h60
Mechanical 12:
  drawing of 1529 lines, arcs and shapes, not listed
Drill Drawing:
  text ".legend" at -1255,3080 h60

## Text inside footprints (layer, text, board x,y; h text height)
CANADAFLAG1: Top Overlay "Made in Canada" at 449,963 h93